# Altium PCB Thunderscope_Rev5.PCBDOC (part 2 of 7)
Units mm, origin at the board's own origin, x right, y up, seen from the top; angles counter-clockwise.
Board outline 119 x 103.6 mm, 6 copper layers (Top Layer, Int1 (GND), Int2 (Sign), Int3 (Sign), Int4 (GND), Bottom Layer), stack 1.49 mm thick; 745 components, 417 nets, 2478 pads, 1216 vias.
Unrouted connection lines stored in the file: 495.
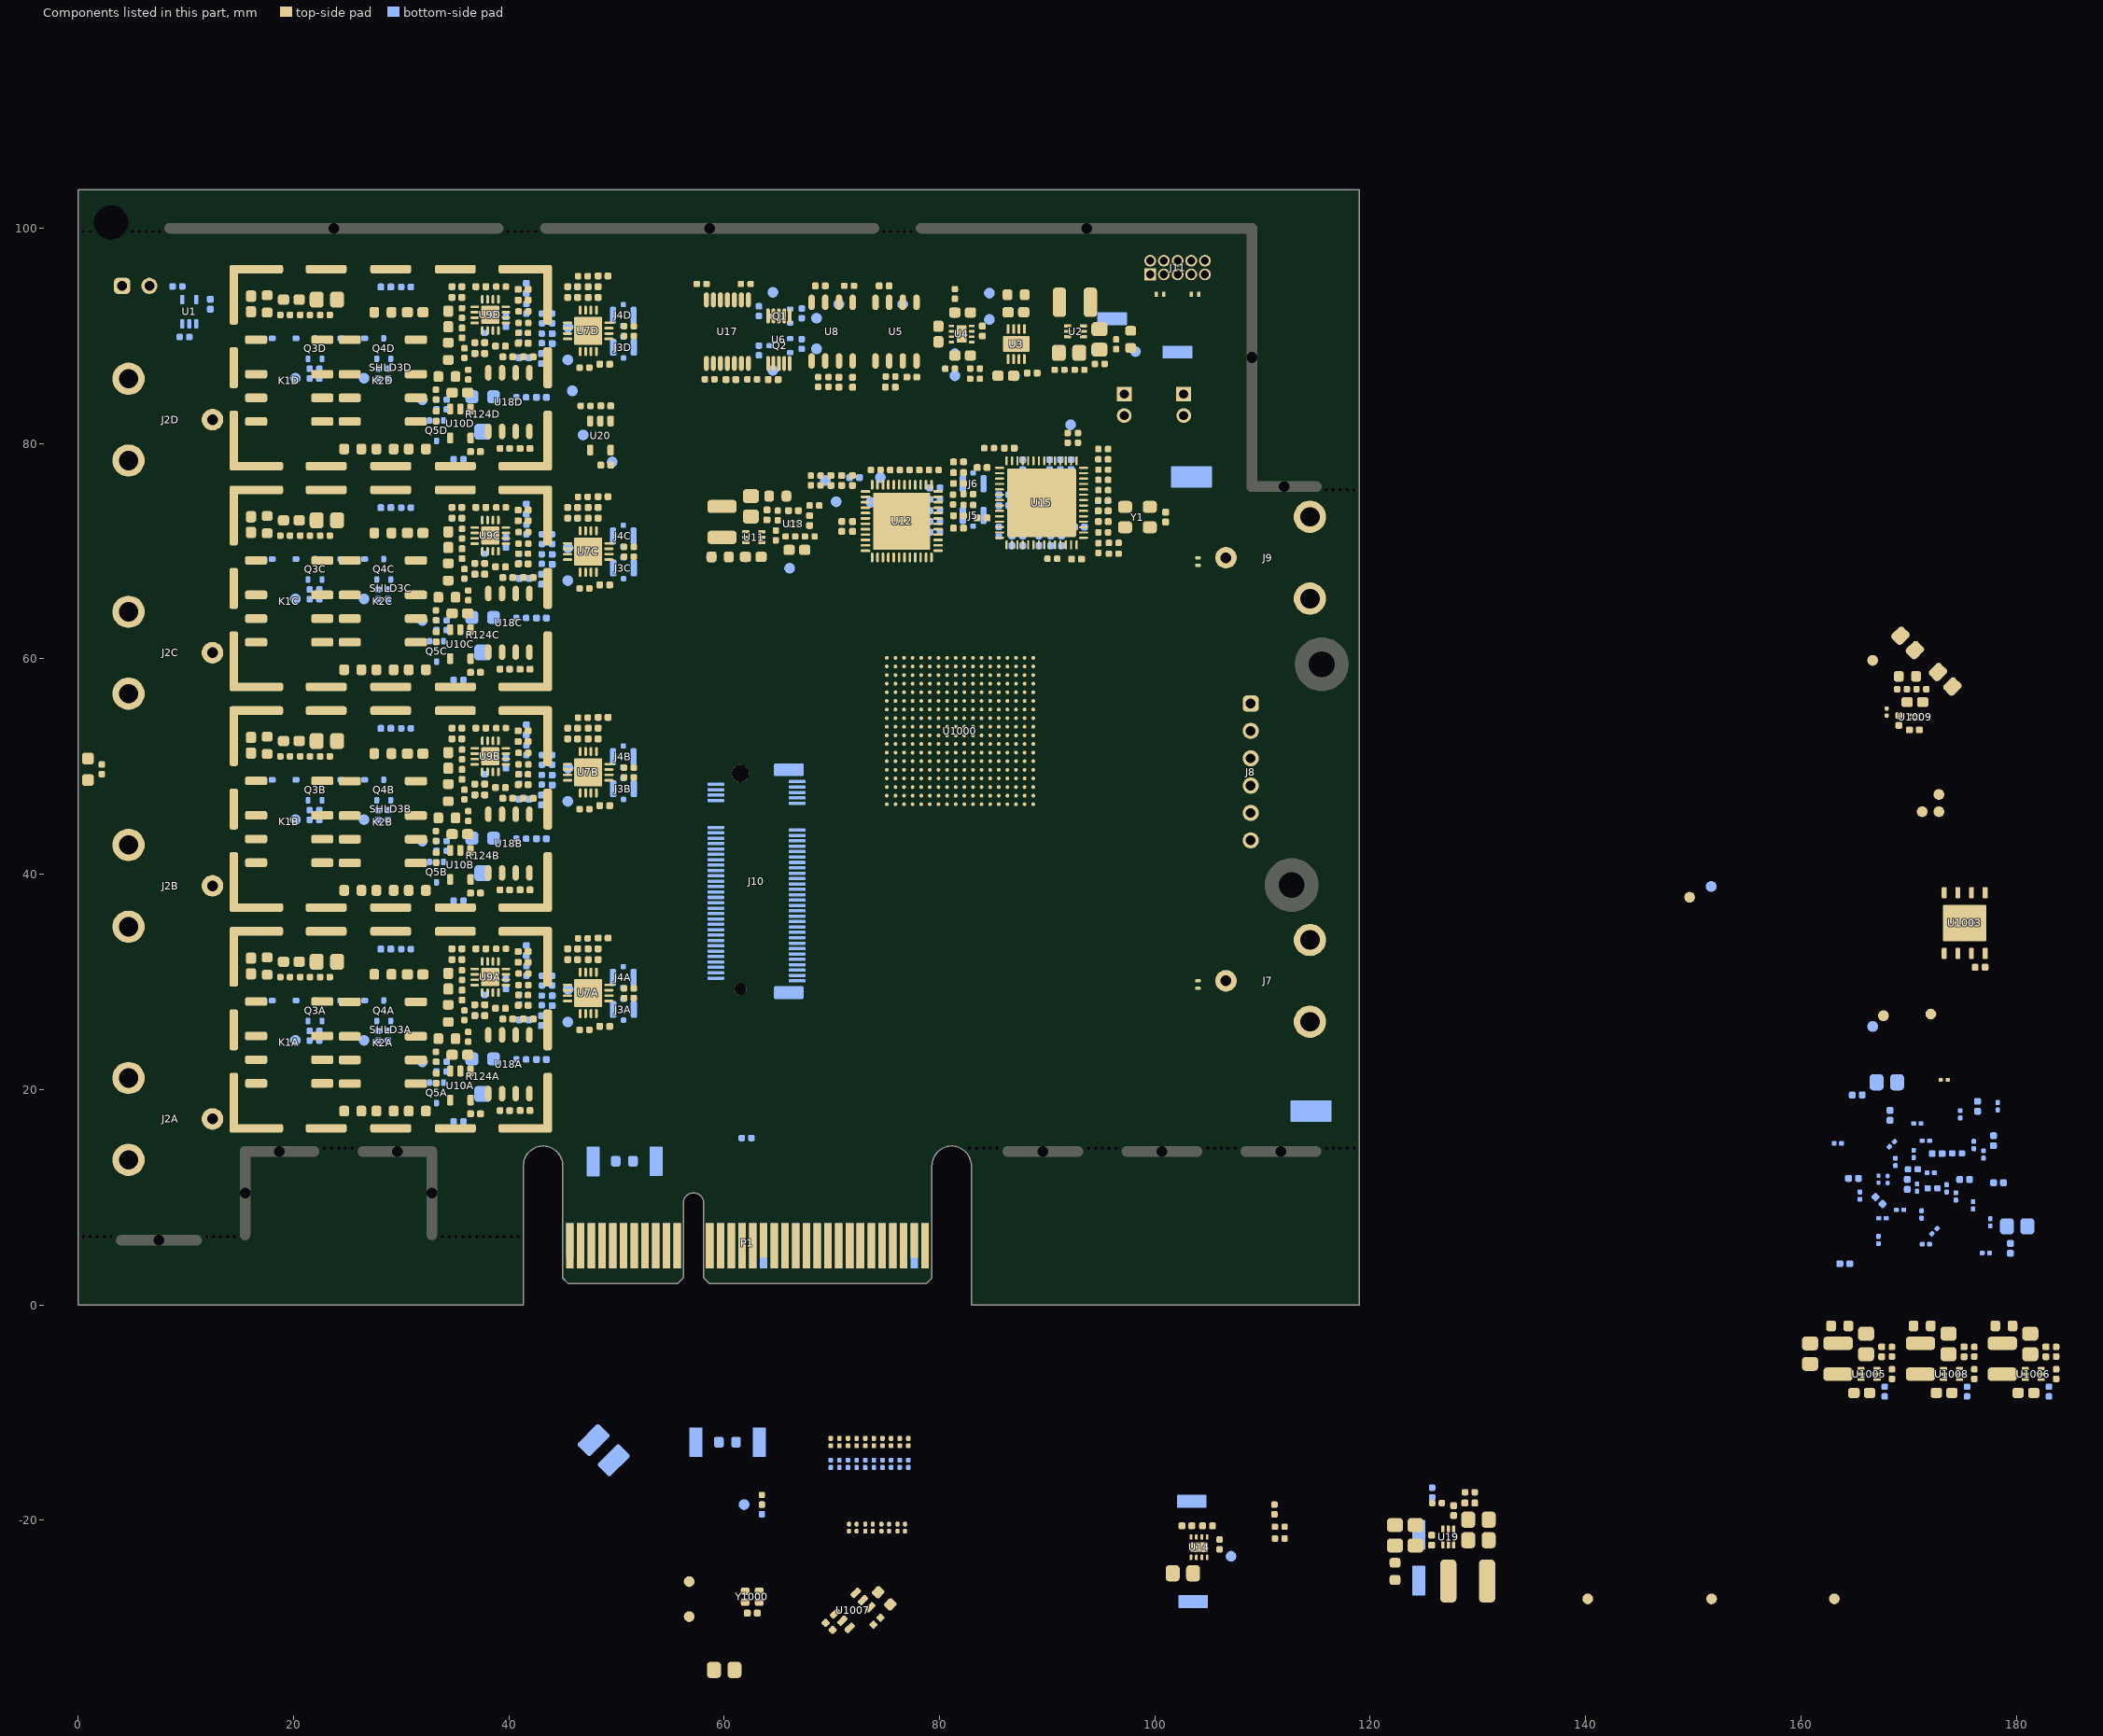
[diagram p6: the components of this part, seen from the top]

## Components (designator, comment, footprint, x,y, rotation, side; value= is the part's Value field where it differs from the comment) (continued)
R48D "10K" GEN_R_0402 28.775,86.5 r270 bottom (schematic designator R48)
R49A "10K" GEN_R_0402 21.5,25 r270 bottom (schematic designator R49)
R49B "10K" GEN_R_0402 21.5,45.5 r270 bottom (schematic designator R49)
R49C "10K" GEN_R_0402 21.5,66 r270 bottom (schematic designator R49)
R49D "10K" GEN_R_0402 21.5,86.5 r270 bottom (schematic designator R49)
R50A "10K" GEN_R_0402 27.875,25 r270 bottom (schematic designator R50)
R50B "10K" GEN_R_0402 27.875,45.5 r270 bottom (schematic designator R50)
R50C "10K" GEN_R_0402 27.875,66 r270 bottom (schematic designator R50)
R50D "10K" GEN_R_0402 27.875,86.5 r270 bottom (schematic designator R50)
R51A "10K" GEN_R_0402 47.025,25.55 r0 top (schematic designator R51)
R51B "10K" GEN_R_0402 47.025,46.05 r0 top (schematic designator R51)
R51C "10K" GEN_R_0402 47.025,66.55 r0 top (schematic designator R51)
R51D "10K" GEN_R_0402 47.025,87.05 r0 top (schematic designator R51)
R52A "0" GEN_R_0402 51.15,29.4 r0 top (schematic designator R52)
R52B "0" GEN_R_0402 51.15,49.9 r0 top (schematic designator R52)
R52C "0" GEN_R_0402 51.15,70.4 r0 top (schematic designator R52)
R52D "0" GEN_R_0402 51.15,90.9 r0 top (schematic designator R52)
R53A "30" GEN_R_0603 34.25,24.725 r0 top (schematic designator R53)
R53B "30" GEN_R_0603 34.25,45.225 r0 top (schematic designator R53)
R53C "30" GEN_R_0603 34.25,65.725 r0 top (schematic designator R53)
R53D "30" GEN_R_0603 34.25,86.225 r0 top (schematic designator R53)
R54A "30" GEN_R_0603 34.375,27.075 r90 top (schematic designator R54)
R54B "30" GEN_R_0603 34.375,47.575 r90 top (schematic designator R54)
R54C "30" GEN_R_0603 34.375,68.075 r90 top (schematic designator R54)
R54D "30" GEN_R_0603 34.375,88.575 r90 top (schematic designator R54)
R55A "100k" GEN_R_0402 37.75,28.325 r270 bottom (schematic designator R55)
R55B "100k" GEN_R_0402 37.75,48.825 r270 bottom (schematic designator R55)
R55C "100k" GEN_R_0402 37.75,69.325 r270 bottom (schematic designator R55)
R55D "100k" GEN_R_0402 37.75,89.825 r270 bottom (schematic designator R55)
R56A "0" GEN_R_0402 41.35,30.775 r0 top (schematic designator R56)
R56B "0" GEN_R_0402 41.35,51.275 r0 top (schematic designator R56)
R56C "0" GEN_R_0402 41.35,71.775 r0 top (schematic designator R56)
R56D "0" GEN_R_0402 41.35,92.275 r0 top (schematic designator R56)
R57 "100" GEN_R_0402 74.068,77.55 r180 top
R58 "0.01" GEN_R_0603 64.975,75.125 r0 top
R59 "261K" GEN_R_0402 66.15,71.375 r180 top
R60 "100" GEN_R_0402 75.868,77.55 r180 top
R61 "100k" GEN_R_0402 67.95,71.375 r180 top
R62 "100" GEN_R_0402 77.668,77.55 r180 top
R63 "100" GEN_R_0402 79.468,77.55 r180 top
R64 "100" GEN_R_0402 81.257,74.8 r90 top
R65A "909k" GEN_R_0402 35.65,30.625 r90 top (schematic designator R65)
R65B "909k" GEN_R_0402 35.65,51.125 r90 top (schematic designator R65)
R65C "909k" GEN_R_0402 35.65,71.625 r90 top (schematic designator R65)
R65D "909k" GEN_R_0402 35.65,92.125 r90 top (schematic designator R65)
R67 "1K" GEN_R_0402 2.2,49.75 r270 top
R68 "0" GEN_R_0201 76.799,-20.687 r270 top
R69 "0" GEN_R_0201 76.099,-20.687 r270 top
R70 "0" GEN_R_0201 76.799,-20.687 r270 bottom
R71 "0" GEN_R_0201 76.099,-20.687 r270 bottom
R72 "0" GEN_R_0201 75.299,-20.687 r270 top
R73 "0" GEN_R_0201 74.599,-20.687 r270 top
R74 "0" GEN_R_0201 75.299,-20.687 r270 bottom
R75 "0" GEN_R_0201 74.599,-20.687 r270 bottom
R76 "0" GEN_R_0201 73.799,-20.687 r270 top
R77 "0" GEN_R_0201 73.099,-20.687 r270 top
R78 "0" GEN_R_0201 73.799,-20.687 r270 bottom
R79 "0" GEN_R_0201 73.099,-20.687 r270 bottom
R80 "0" GEN_R_0201 72.299,-20.687 r270 top
R81 "0" GEN_R_0201 71.599,-20.687 r270 top
R82 "0" GEN_R_0201 72.299,-20.687 r270 bottom
R83 "0" GEN_R_0201 71.599,-20.687 r270 bottom
R84 "49.9" GEN_R_0402 63.5,-19 r270 bottom
R85 "49.9" GEN_R_0402 63.5,-18.1 r90 top
R86 "0" GEN_R_0402 62.075,15.5 r0 bottom
R87 "0.01" GEN_R_0603 50.725,13.35 r180 bottom
R88 "0" GEN_R_0402 90.475,69.3 r0 top
R89 "10K" GEN_R_0402 91.9,80.525 r270 top
R90 "10K" GEN_R_0402 95.2,75.675 r0 top
R91 "10K" GEN_R_0402 95.2,76.625 r0 top
R92 "1K" GEN_R_0402 95.2,79.5 r180 top
R93 "1K" GEN_R_0402 95.175,74.675 r180 bottom
R94 "1K" GEN_R_0402 95.2,74.725 r180 top
R95 "0.01" GEN_R_0603 60.3,-12.75 r0 bottom
R96A "909k" GEN_R_0402 33.225,23.05 r90 top (schematic designator R96)
R96B "909k" GEN_R_0402 33.225,43.55 r90 top (schematic designator R96)
R96C "909k" GEN_R_0402 33.225,64.05 r90 top (schematic designator R96)
R96D "909k" GEN_R_0402 33.225,84.55 r90 top (schematic designator R96)
R97A "0" GEN_R_0402 51.15,28.5 r0 top (schematic designator R97)
R97B "0" GEN_R_0402 51.15,49 r0 top (schematic designator R97)
R97C "0" GEN_R_0402 51.15,69.5 r0 top (schematic designator R97)
R97D "0" GEN_R_0402 51.15,90 r0 top (schematic designator R97)
R98A "90.9k" GEN_R_0402 41.35,29.7 r180 top (schematic designator R98)
R98B "90.9k" GEN_R_0402 41.35,50.2 r180 top (schematic designator R98)
R98C "90.9k" GEN_R_0402 41.35,70.7 r180 top (schematic designator R98)
R98D "90.9k" GEN_R_0402 41.35,91.2 r180 top (schematic designator R98)
R99A "90.9k" GEN_R_0402 41.325,28.775 r0 top (schematic designator R99)
R99B "90.9k" GEN_R_0402 41.325,49.275 r0 top (schematic designator R99)
R99C "90.9k" GEN_R_0402 41.325,69.775 r0 top (schematic designator R99)
R99D "90.9k" GEN_R_0402 41.325,90.275 r0 top (schematic designator R99)
R100A "2K" GEN_R_0402 35.875,26.9 r270 top (schematic designator R100)
R100B "2K" GEN_R_0402 35.875,47.4 r270 top (schematic designator R100)
R100C "2K" GEN_R_0402 35.875,67.9 r270 top (schematic designator R100)
R100D "2K" GEN_R_0402 35.875,88.4 r270 top (schematic designator R100)
R105 "100k" GEN_R_0402 94.875,87.4 r180 top
R106 "0" GEN_R_0402 96.175,69.775 r180 top
R107 "0" GEN_R_0402 96.175,70.775 r180 top
R108 "0" GEN_R_0402 111.6,-21.7 r180 top
R109 "0" GEN_R_0402 111.6,-20.6 r180 top
R110 "10K" GEN_R_0402 111.1,-19 r270 top
R111 "1K" GEN_R_0402 95.175,73.725 r180 bottom
R113 "57.6k" GEN_R_0402 129.25,-17.4 r0 top
R114 "10K" GEN_R_0402 126.2,-18.4 r0 top
R115 "10K" GEN_R_0402 125.75,-17.425 r270 bottom
R116 "0.01" GEN_R_0603 122.3,-24.75 r90 top
R117 "0.1" GEN_R_0402 47.125,83.5 r0 top
R118A "1K" GEN_R_0402 43.075,30.125 r90 bottom (schematic designator R118)
R118B "1K" GEN_R_0402 43.075,50.625 r90 bottom (schematic designator R118)
R118C "1K" GEN_R_0402 43.075,71.125 r90 bottom (schematic designator R118)
R118D "1K" GEN_R_0402 43.075,91.625 r90 bottom (schematic designator R118)
R119A "1K" GEN_R_0402 44.025,30.125 r270 bottom (schematic designator R119)
R119B "1K" GEN_R_0402 44.025,50.625 r270 bottom (schematic designator R119)
R119C "1K" GEN_R_0402 44.025,71.125 r270 bottom (schematic designator R119)
R119D "1K" GEN_R_0402 44.025,91.625 r270 bottom (schematic designator R119)
R120A "0" GEN_R_0402 39.275,33.075 r180 top (schematic designator R120)
R120B "0" GEN_R_0402 39.275,53.575 r180 top (schematic designator R120)
R120C "0" GEN_R_0402 39.275,74.075 r180 top (schematic designator R120)
R120D "0" GEN_R_0402 39.275,94.575 r180 top (schematic designator R120)
R121A "10K" GEN_R_0402 39.625,18.05 r0 top (schematic designator R121)
R121B "10K" GEN_R_0402 39.625,38.55 r0 top (schematic designator R121)
R121C "10K" GEN_R_0402 39.625,59.05 r0 top (schematic designator R121)
R121D "10K" GEN_R_0402 39.625,79.55 r0 top (schematic designator R121)
R122A "90.9k" GEN_R_0402 36.225,24.9 r270 top (schematic designator R122)
R122B "90.9k" GEN_R_0402 36.225,45.4 r270 top (schematic designator R122)
R122C "90.9k" GEN_R_0402 36.225,65.9 r270 top (schematic designator R122)
R122D "90.9k" GEN_R_0402 36.225,86.4 r270 top (schematic designator R122)
R123A "DNP" GEN_R_0402 39.625,18.05 r180 bottom (schematic designator R123)
R123B "DNP" GEN_R_0402 39.625,38.55 r180 bottom (schematic designator R123)
R123C "DNP" GEN_R_0402 39.625,59.05 r180 bottom (schematic designator R123)
R123D "DNP" GEN_R_0402 39.625,79.55 r180 bottom (schematic designator R123)
R124A "5K TRIMPOT" BOU_3mm_POT 37.575,21.3 r0 bottom value=5K (schematic designator R124)
R124B "5K TRIMPOT" BOU_3mm_POT 37.575,41.8 r0 bottom value=5K (schematic designator R124)
R124C "5K TRIMPOT" BOU_3mm_POT 37.575,62.3 r0 bottom value=5K (schematic designator R124)
R124D "5K TRIMPOT" BOU_3mm_POT 37.575,82.8 r0 bottom value=5K (schematic designator R124)
R125A "10K" GEN_R_0402 35.325,17.05 r0 bottom (schematic designator R125)
R125B "10K" GEN_R_0402 35.325,37.55 r0 bottom (schematic designator R125)
R125C "10K" GEN_R_0402 35.325,58.05 r0 bottom (schematic designator R125)
R125D "10K" GEN_R_0402 35.325,78.55 r0 bottom (schematic designator R125)
R126A "10K" GEN_R_0402 33.275,22.125 r90 bottom (schematic designator R126)
R126B "10K" GEN_R_0402 33.275,42.625 r90 bottom (schematic designator R126)
R126C "10K" GEN_R_0402 33.275,63.125 r90 bottom (schematic designator R126)
R126D "10K" GEN_R_0402 33.275,83.625 r90 bottom (schematic designator R126)
R127A "10K" GEN_R_0402 34.225,22.125 r90 bottom (schematic designator R127)
R127B "10K" GEN_R_0402 34.225,42.625 r90 bottom (schematic designator R127)
R127C "10K" GEN_R_0402 34.225,63.125 r90 bottom (schematic designator R127)
R127D "10K" GEN_R_0402 34.225,83.625 r90 bottom (schematic designator R127)
R1012 "100" GEN_R_0201 173.3,20.9 r0 top
R1041 "100" GEN_R_0201 167.962,55.062 r270 top
R1044 "4.7K" GEN_R_0201 167.2,11.675 r90 bottom
R1045 "4.7K" GEN_R_0201 168.05,11.65 r90 bottom
R1046 "0.01" GEN_R_0603 163.6,-1.95 r180 top
R1047 "100k" GEN_R_0402 167.775,-8.05 r270 bottom
R1048 "66.5k" GEN_R_0402 168.45,-4.35 r90 top
R1049 "100k" GEN_R_0402 168.45,-6.425 r90 top
R1050 "0.01" GEN_R_0603 178.85,-1.95 r180 top
R1051 "0.01" GEN_R_0603 74.862,-27.259 r315 top
R1052 "100k" GEN_R_0402 183.025,-8.05 r270 bottom
R1053 "200K" GEN_R_0402 183.7,-4.35 r90 top
R1054 "100k" GEN_R_0402 183.7,-6.425 r90 top
R1055 "0.01" GEN_R_0603 171.25,-1.95 r180 top
R1056 "0.01" GEN_R_0603 169.887,58.387 r180 top
R1057 "100k" GEN_R_0402 175.425,-8.05 r270 bottom
R1058 "124k" GEN_R_0402 176.1,-4.35 r90 top
R1059 "140k" GEN_R_0402 171.187,57.187 r0 top
R1060 "100k" GEN_R_0402 176.1,-6.425 r90 top
R1061 "100k" GEN_R_0402 169.387,57.187 r0 top
SHLD3A "2118728-2" TE_2118728-2 29.031,25.553 r180 top locked (schematic designator SHLD3)
SHLD3B "2118728-2" TE_2118728-2 29.031,46.053 r180 top locked (schematic designator SHLD3)
SHLD3C "2118728-2" TE_2118728-2 29.031,66.553 r180 top locked (schematic designator SHLD3)
SHLD3D "2118728-2" TE_2118728-2 29.031,87.053 r180 top locked (schematic designator SHLD3)
TP3 "5015" KEY_5015 96.025,91.6 r0 bottom
TP5 "5019" KEY_5019 114.5,18 r0 bottom
TP6 "5019" KEY_5019 103.4,76.9 r180 bottom
TP7 "PCB" GEN_TP_PCB 98.2,88.55 r90 bottom
TP9 "PCB" GEN_TP_PCB 84.625,91.525 r180 bottom
TP10 "PCB" GEN_TP_PCB 86.95,86.3 r90 bottom
TP11 "PCB" GEN_TP_PCB 81.4,92.175 r180 bottom
TP12 "PCB" GEN_TP_PCB 81.425,88.35 r180 bottom
TP13 "PCB" GEN_TP_PCB 84.625,93.975 r270 bottom
TP15 "PCB" GEN_TP_PCB 81.425,86.3 r180 bottom
TP16 "PCB" GEN_TP_PCB 74.5,76.85 r270 bottom
TP17 "PCB" GEN_TP_PCB 70.65,92.95 r90 bottom
TP18 "5015" KEY_5015 102.1,88.5 r180 bottom
TP19 "PCB" GEN_TP_PCB 76.575,92.95 r0 bottom
TP20 "PCB" GEN_TP_PCB 64.525,86.8 r90 bottom
TP21 "PCB" GEN_TP_PCB 64.525,94.05 r270 bottom
TP22A "PCB" GEN_TP_PCB 20.175,24.575 r0 bottom (schematic designator TP22)
TP22B "PCB" GEN_TP_PCB 20.175,45.075 r0 bottom (schematic designator TP22)
TP22C "PCB" GEN_TP_PCB 20.175,65.575 r0 bottom (schematic designator TP22)
TP22D "PCB" GEN_TP_PCB 20.175,86.075 r0 bottom (schematic designator TP22)
TP23A "PCB" GEN_TP_PCB 26.55,24.575 r0 bottom (schematic designator TP23)
TP23B "PCB" GEN_TP_PCB 26.55,45.075 r0 bottom (schematic designator TP23)
TP23C "PCB" GEN_TP_PCB 26.55,65.575 r0 bottom (schematic designator TP23)
TP23D "PCB" GEN_TP_PCB 26.55,86.075 r0 bottom (schematic designator TP23)
TP24A "PCB" GEN_TP_PCB 45.475,26.275 r90 bottom (schematic designator TP24)
TP24B "PCB" GEN_TP_PCB 45.475,46.775 r90 bottom (schematic designator TP24)
TP24C "PCB" GEN_TP_PCB 45.475,67.275 r90 bottom (schematic designator TP24)
TP24D "PCB" GEN_TP_PCB 45.475,87.775 r90 bottom (schematic designator TP24)
TP25A "PCB" GEN_TP_PCB 45.5,29.325 r90 bottom (schematic designator TP25)
TP25B "PCB" GEN_TP_PCB 45.5,49.85 r90 bottom (schematic designator TP25)
TP25C "PCB" GEN_TP_PCB 45.5,70.325 r90 bottom (schematic designator TP25)
TP25D "PCB" GEN_TP_PCB 45.5,90.825 r90 bottom (schematic designator TP25)
TP26A "PCB" GEN_TP_PCB 31.975,22.575 r180 bottom (schematic designator TP26)
TP26B "PCB" GEN_TP_PCB 31.975,43.075 r180 bottom (schematic designator TP26)
TP26C "PCB" GEN_TP_PCB 31.975,63.575 r180 bottom (schematic designator TP26)
TP26D "PCB" GEN_TP_PCB 31.975,84.075 r180 bottom (schematic designator TP26)
TP27 "PCB" GEN_TP_PCB 61.975,69.475 r0 bottom
TP28 "PCB" GEN_TP_PCB 58.825,69.475 r90 bottom
TP29 "PCB" GEN_TP_PCB 69.4,76.575 r180 bottom
TP32 "5015" KEY_5015 103.55,-27.55 r180 bottom
TP33 "PCB" GEN_TP_PCB 107.075,-23.35 r180 bottom
TP34 "PCB" GEN_TP_PCB 73.625,74.55 r270 bottom
TP35 "PCB" GEN_TP_PCB 70.4,74.6 r270 bottom
TP36 "PCB" GEN_TP_PCB 65.775,75.125 r90 bottom
TP37 "PCB" GEN_TP_PCB 66.075,68.425 r90 bottom
TP38 "PCB" GEN_TP_PCB 62.475,75.125 r90 bottom
TP39 "PCB" GEN_TP_PCB 61.85,-18.55 r90 bottom
TP40 "5015" KEY_5015 53.675,13.35 r90 bottom
TP41 "5015" KEY_5015 47.825,13.325 r270 bottom
TP42 "PCB" GEN_TP_PCB 68.575,91.65 r270 bottom
TP43 "PCB" GEN_TP_PCB 68.575,88.8 r90 bottom
TP44 "PCB" GEN_TP_PCB 92.175,81.75 r180 bottom
TP45 "5015" KEY_5015 57.375,-12.75 r90 bottom
TP46 "5015" KEY_5015 63.25,-12.75 r90 bottom
TP47 "5015" KEY_5015 103.425,-18.25 r0 bottom
TP50 "5015" KEY_5015 124.5,-25.6 r90 bottom
TP51 "5015" KEY_5015 124.5,-21.35 r270 bottom
TP52 "PCB" GEN_TP_PCB 46.9,80.8 r0 bottom
TP53 "PCB" GEN_TP_PCB 49.6,78.3 r0 bottom
TP54 "PCB" GEN_TP_PCB 45.9,84.9 r0 bottom
TP1003 "PCB" GEN_TP_PCB 172.062,27.012 r270 top
TP1008 "PCB" GEN_TP_PCB 172.812,45.812 r270 top
TP1009 "PCB" GEN_TP_PCB 171.262,45.812 r270 top
TP1010 "PCB" GEN_TP_PCB 56.75,-25.7 r270 top
TP1011 "PCB" GEN_TP_PCB 56.75,-28.95 r270 top
TP1012 "PCB" GEN_TP_PCB 172.812,47.412 r270 top
U1 "SN74LVC1G17" GEN_SC-70-5 10.325,92.25 r90 bottom
U2 "TPS61023" TI_SOT563_DRL0006A 92.625,90.425 r180 top
U3 "ADM7171ACPZ-5.0" AD_DFN8_CP-8-21 87.125,89.25 r90 top
U4 "LM27761" TI_WSON8_DSG0008A 82.041,90.176 r0 top
U5 "OPA140AIDR" TI_SOIC8_D0008A 75.955,90.4 r90 top
U6 "MCP4728" MC_MSOP10_UN 65.075,89.65 r90 top
U7A "LMH6518" TI_WQFN_RGH0016A 47.375,28.975 r270 top (schematic designator U7)
U7B "LMH6518" TI_WQFN_RGH0016A 47.375,49.475 r270 top (schematic designator U7)
U7C "LMH6518" TI_WQFN_RGH0016A 47.375,69.975 r270 top (schematic designator U7)
U7D "LMH6518" TI_WQFN_RGH0016A 47.375,90.475 r270 top (schematic designator U7)
U8 "OP07CDR" TI_SOIC8_D0008A 70.025,90.4 r90 top
U9A "BUF802" TI_VQFN_RGT0016C 38.275,30.45 r0 top (schematic designator U9)
U9B "BUF802" TI_VQFN_RGT0016C 38.275,50.95 r0 top (schematic designator U9)
U9C "BUF802" TI_VQFN_RGT0016C 38.275,71.45 r0 top (schematic designator U9)
U9D "BUF802" TI_VQFN_RGT0016C 38.275,91.95 r0 top (schematic designator U9)
U10A "TS12A4516" GEN_SOT23_5_950_2900X1600X1450 35.5,20.375 r270 top (schematic designator U10)
U10B "TS12A4516" GEN_SOT23_5_950_2900X1600X1450 35.5,40.875 r270 top (schematic designator U10)
U10C "TS12A4516" GEN_SOT23_5_950_2900X1600X1450 35.5,61.375 r270 top (schematic designator U10)
U10D "TS12A4516" GEN_SOT23_5_950_2900X1600X1450 35.5,81.875 r270 top (schematic designator U10)
U11 "TPS62A01" TI_SOT563_DRL0006A 62.75,71.3 r0 top
U12 "HMCAD1520" AD_QFN48_LP7 76.493,72.8 r0 top
U13 "LD57100JR" ST_FlipChip6 66.425,72.55 r90 top
U14 "TPS22975" TI_WSON8_DSG0008A 104.1,-22.5 r90 top
U15 "ZL30260LDG1" MC_QFN56_ZL30260 89.475,74.5 r90 top
U17 "MCP4432T-503E" MC_TSSOP14 60.3,90.4 r270 top
U18A "OPA140AIDR" TI_SOIC8_D0008A 40,22.35 r90 top (schematic designator U18)
U18B "OPA140AIDR" TI_SOIC8_D0008A 40,42.85 r90 top (schematic designator U18)
U18C "OPA140AIDR" TI_SOIC8_D0008A 40,63.35 r90 top (schematic designator U18)
U18D "OPA140AIDR" TI_SOIC8_D0008A 40,83.85 r90 top (schematic designator U18)
U19 "TPS562202" TI_SOT563_DRL0006A 127.25,-21.55 r90 top
U20 "TPS7A2033" GEN_SOT23_5_950_2900X1600X1450 48.5,80.75 r270 top
U1000 "IC FPGA XC7A50T-2CSG325C" XILINX_XC7A50T-2CSG325C 81.9,53.3 r90 top
U1003 "MX25U6432FZNI02" MX_WSON8 175.202,35.467 r270 top
U1005 "TPS62A02" TI_SOT563_DRL0006A 166.325,-6.425 r0 top
U1006 "TPS62A01" TI_SOT563_DRL0006A 181.575,-6.425 r0 top
U1007 "SIP32508" VISH_TSOT6 71.934,-28.373 r225 top
U1008 "TPS62A01" TI_SOT563_DRL0006A 173.975,-6.425 r0 top
U1009 "LD57100JR" ST_FlipChip6 170.587,54.587 r270 top
Y1 "10MHz" ECS_TXO-3225 98.375,73.175 r180 top
Y1000 "25MHz" ECS_TXO-2016 62.6,-27.1 r180 top

## Footprints (in the part's own frame and the unit in brackets; to place one, negate y for a bottom-side part, rotate by r counter-clockwise, add the part's x,y. Pads: shape width x height; smd on the part's side, far side on the other; paste and mask are expansions set on the pad)
AD_DFN8_CP-8-21 [mm] "SON, 8-Leads, Body 3.00x3.00mm, Pitch 0.50mm, Thermal Pad 2.44x1.49mm, IPC Medium Density"
  rrect50% 0.9x0.25 smd: 1(-1.395,0.75) 2(-1.395,0.25) 3(-1.395,-0.25) 4(-1.395,-0.75) 5(1.395,-0.75) 6(1.395,-0.25) 7(1.395,0.25) 8(1.395,0.75)
  rrect10% 1.49x2.44 smd paste-0.745: 9(0,0)
  silkscreen extent -2.15,-1.7 1.7,1.75, body extent -1.55,-1.55 1.55,1.55, height 0.8
AD_QFN48_LP7 [mm] "QFN, 48-Leads, Body 7.00x7.00mm, Pitch 0.50mm, Thermal Pad 5.28x5.28mm, IPC Medium Density"
  oval 0.9x0.25 smd: 1(-3.375,2.75) 2(-3.375,2.25) 3(-3.375,1.75) 4(-3.375,1.25) 5(-3.375,0.75) 6(-3.375,0.25) 7(-3.375,-0.25) 8(-3.375,-0.75) 9(-3.375,-1.25) 10(-3.375,-1.75) 11(-3.375,-2.25) 12(-3.375,-2.75) 25(3.375,-2.75) 26(3.375,-2.25) 27(3.375,-1.75) 28(3.375,-1.25) 29(3.375,-0.75) 30(3.375,-0.25) 31(3.375,0.25) 32(3.375,0.75) 33(3.375,1.25) 34(3.375,1.75) 35(3.375,2.25) 36(3.375,2.75)
  oval 0.25x0.9 smd: 13(-2.75,-3.375) 14(-2.25,-3.375) 15(-1.75,-3.375) 16(-1.25,-3.375) 17(-0.75,-3.375) 18(-0.25,-3.375) 19(0.25,-3.375) 20(0.75,-3.375) 21(1.25,-3.375) 22(1.75,-3.375) 23(2.25,-3.375) 24(2.75,-3.375) 37(2.75,3.375) 38(2.25,3.375) 39(1.75,3.375) 40(1.25,3.375) 41(0.75,3.375) 42(0.25,3.375) 43(-0.25,3.375) 44(-0.75,3.375) 45(-1.25,3.375) 46(-1.75,3.375) 47(-2.25,3.375) 48(-2.75,3.375)
  rect 5.28x5.28 smd paste-5.28: 49(0,0)
  silkscreen extent -4.42,-3.65 3.65,3.65, body extent -3.5,-3.5 3.5,3.5, height 1
BOU_3mm_POT [mm]
  rrect50% 1.2x1.2 smd: 1(-1,-1.55) 3(1,-1.55)
  rrect50% 1.6x1.5 smd: 2(0,1.7)
  silkscreen extent -1.5,-0.8 1.5,1.9, body extent -1.8,-1.76 1.8,2.2, height 1.13
ECS_TXO-2016 [mm]
  rrect50% 0.8x0.7 smd: 1(-0.65,-0.5) 2(0.65,-0.5) 3(0.65,0.5) 4(-0.65,0.5)
  silkscreen extent -1.4,-1.2 1.22,1.02, body extent -1.05,-0.85 1.05,0.85, height 0.8
ECS_TXO-3225 [mm]
  rrect50% 1.3x1.1 smd: 1(-1.15,-0.95) 2(1.15,-0.95) 3(1.15,0.95) 4(-1.15,0.95)
  silkscreen extent -2.05,-1.77 -1.85,-1.58, body extent -1.6,-1.25 1.6,1.25, height 0.8
FUJ_FTR-B3SA [mm]
  rrect50% 0.8x2.06 smd: 1(-3.8,-3.07) 2(-0.6,-3.07) 3(1.6,-3.07) 4(3.8,-3.07) 5(3.8,3.07) 6(1.6,3.07) 7(-0.6,3.07) 8(-3.8,3.07)
  silkscreen extent -5.3,-3.6 5.3,3.6, body extent -5.43,-3.73 5.43,3.73, height 5.45
GEN_1.27mm_2x5_Pin_TH_RA [mm]
  rect 1.09x1.09 hole 0.74: 1(-2.54,-0.635)
  round 1.09 hole 0.74: 2(-2.54,0.635) 3(-1.27,-0.635) 4(-1.27,0.635) 5(0,-0.635) 6(0,0.635) 7(1.27,-0.635) 8(1.27,0.635) 9(2.54,-0.635) 10(2.54,0.635)
  silkscreen extent -7.1,-0.73 6.35,7.23, body extent -6.35,-0.84 6.35,7.23, height 5.6
GEN_2.54MM_1X2_PIN_TH_RA [mm]
  rrect50% 1.5x1.5 hole 0.9: 1(-1.27,0)
  round 1.5 hole 0.9: 2(1.27,0)